# Altium PCB SupplyBox_v4.PcbDoc (part 2 of 2)
Units mil, origin at the board's own origin, x right, y up, seen from the top; angles counter-clockwise.
Board outline 7450 x 9000 mil, 6 copper layers (Top Layer, +50V, +5V, Internal, -50V, Bottom Layer), stack 60.56 mil thick; 252 components, 122 nets, 898 pads, 473 vias.
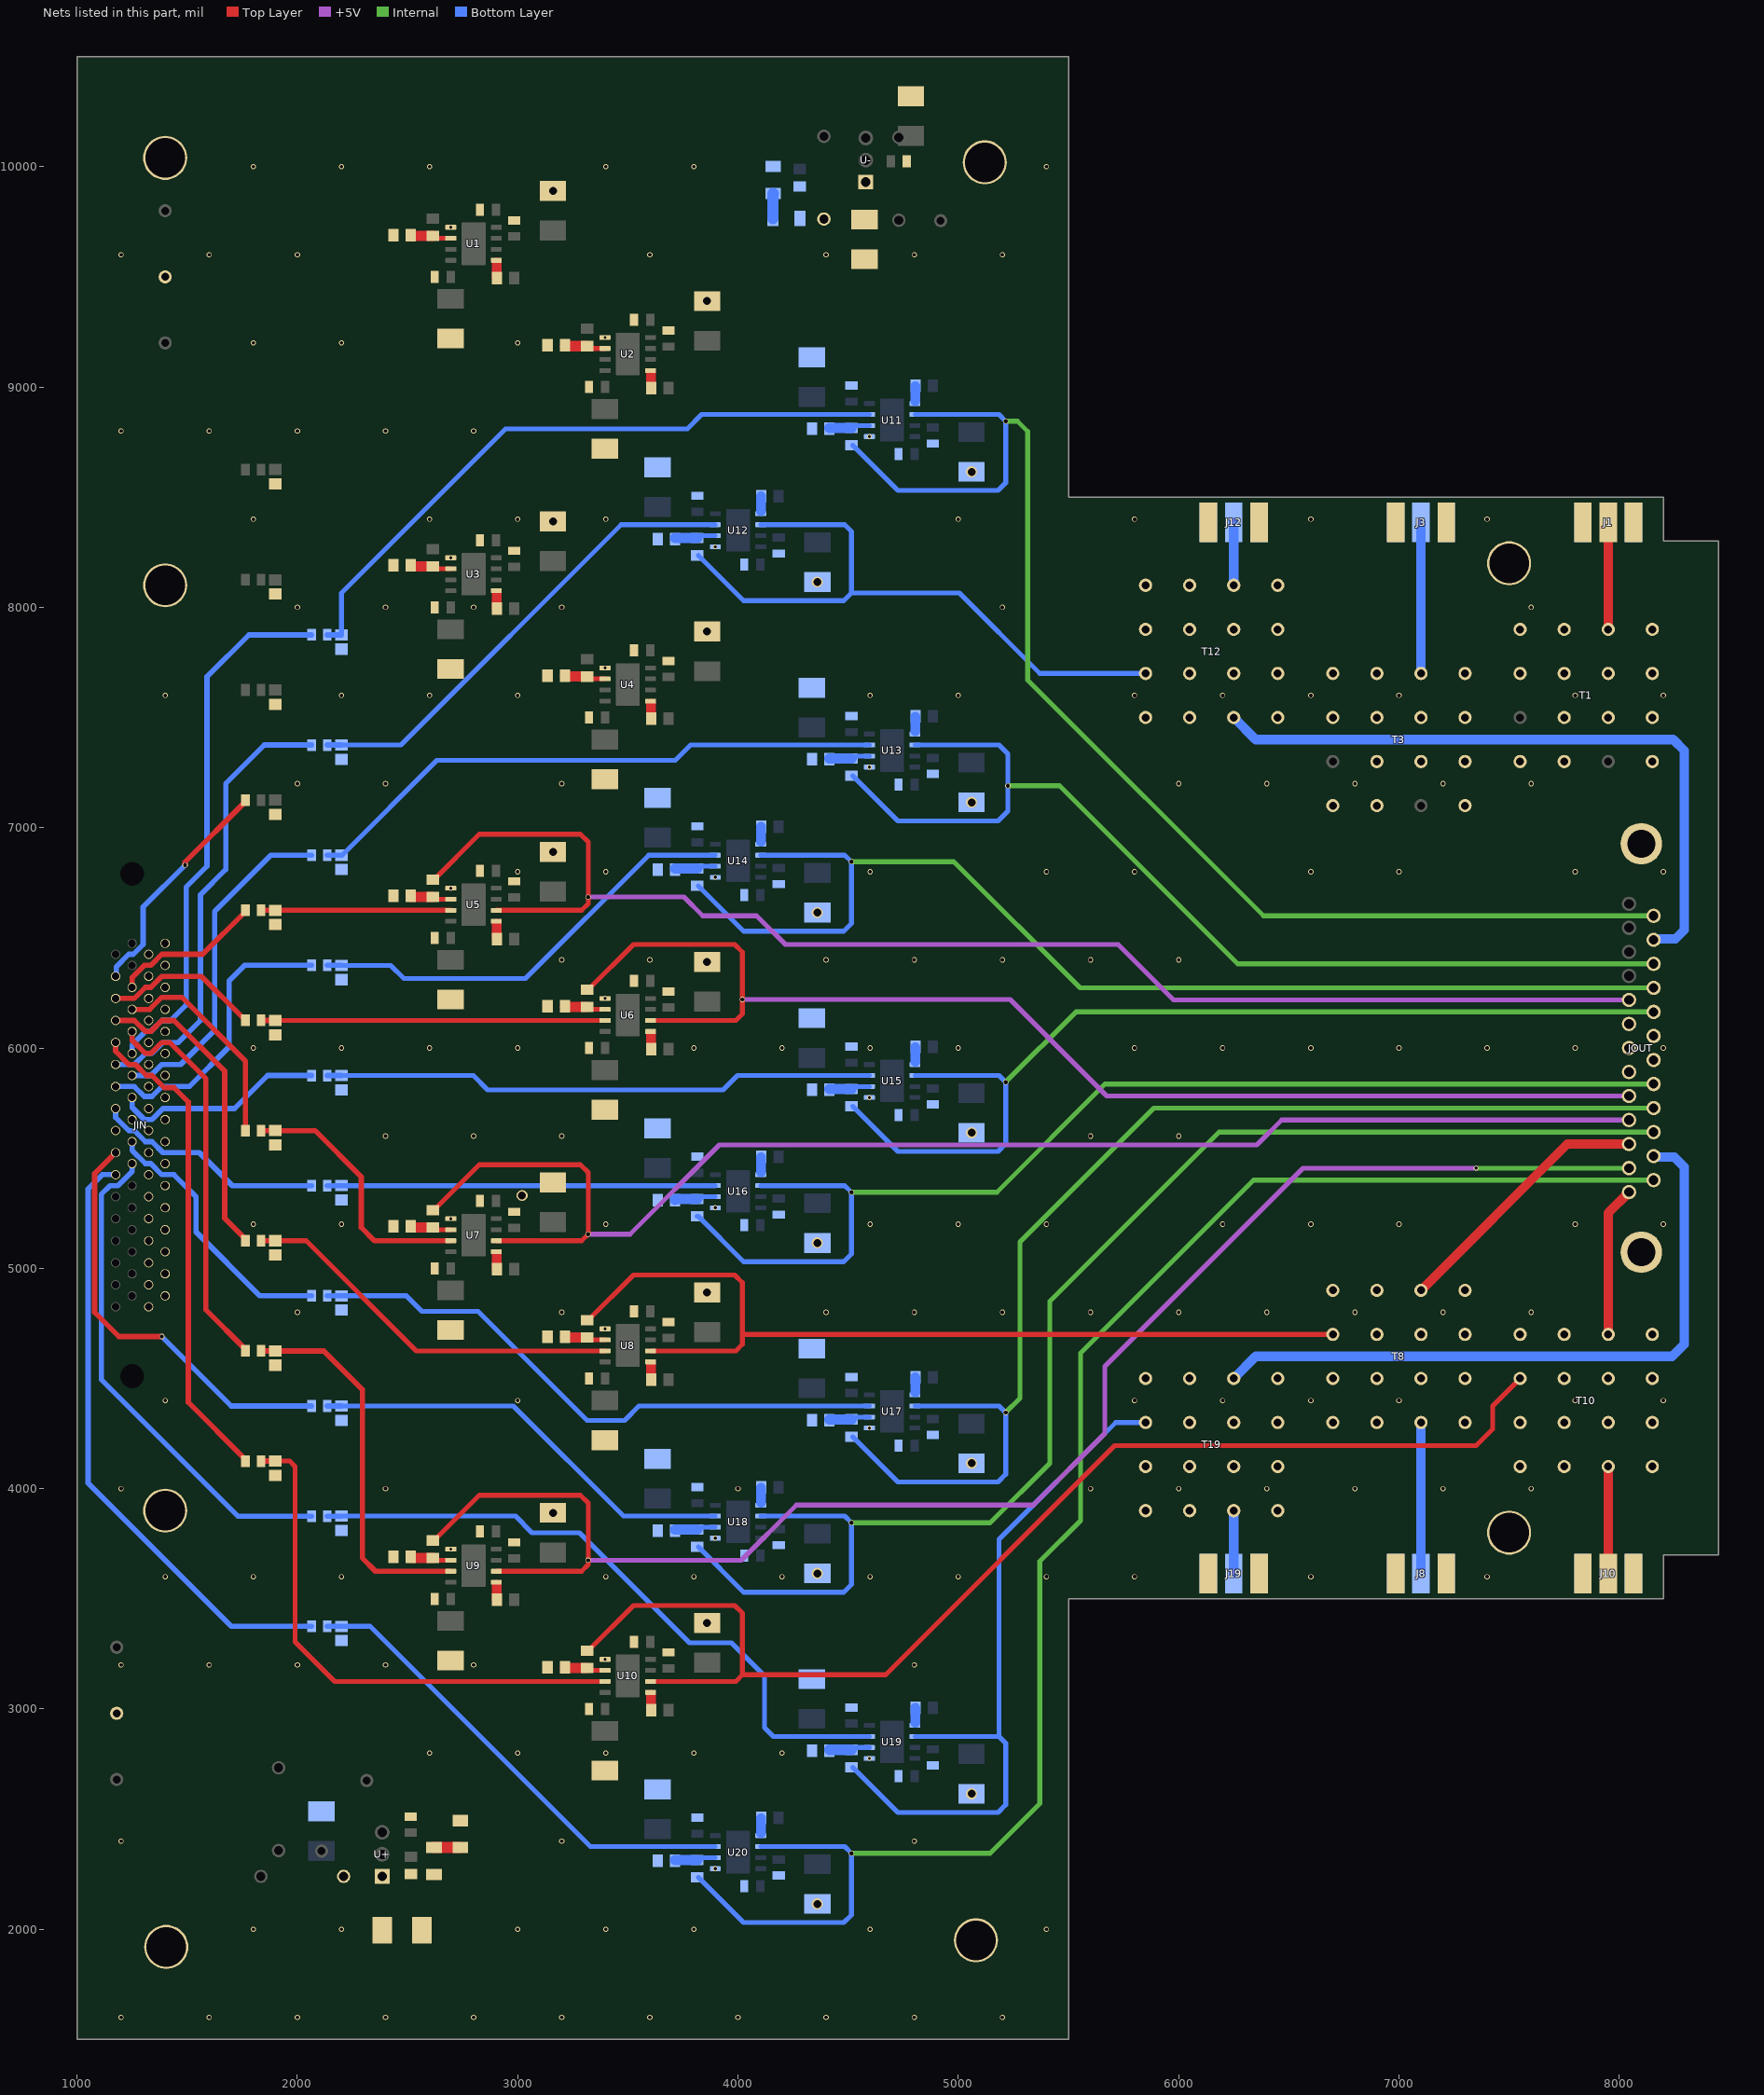
[diagram p6: the nets of this part, all layers, seen from the top]

## Via types
v1: diameter 24, hole 16, Top Layer to Bottom Layer, tented both sides, 174 vias
v2: diameter 19.68, hole 7.87, Top Layer to Bottom Layer, tented both sides, 80 vias
v3: diameter 19.68, hole 7.87, Top Layer to Bottom Layer, 80 vias
v4: diameter 50, hole 36, Top Layer to Bottom Layer, 60 vias
v5: diameter 24, hole 18, Top Layer to Bottom Layer, 43 vias
v6: diameter 22, hole 14, Top Layer to Bottom Layer, 20 vias
v7: diameter 24, hole 18, Top Layer to Bottom Layer, tented both sides, 14 vias
v8: diameter 22, hole 15, Top Layer to Bottom Layer, tented both sides, 2 vias

## Nets (pads, with @x,y where several pads share a name; then routed paths per layer and width w, separated by ;. In a path a pad name is that pad's centre, name@x,y a point inside that pad or via, vN(x,y) a via of type N, cw(c..) or ccw(c..) an arc to the next point about the centre after c; other vN are vias at no path point) (continued)
CH4IN: JIN.4 R4.1 | length 1055.9
  Top Layer w24: v5(1490,6830) 1490,6843.54 1764.57,7118.11 R4.1@1764.57,7125
  Bottom Layer w24: JIN.4@1175,6325 1178.44,6328.44 1178.44,6368.44 1235,6425 1255,6425 1300,6470 1300,6640 v5(1490,6830)
CH5A: JOUT.5 Rf5.2 U5.6 | length 6431.3
  Top Layer w22: Rf5.2@2615,6764.37 2619.92,6764.37 2825.55,6970 3285,6970 3320,6935 v7(3320,6685) 3320,6655 3290,6625 U5.6@2903.35,6625
  +5V w22: v7(3320,6685) 3755,6685 3840,6600 4085,6600 4215,6470 5725,6470 5976.89,6218.11 JOUT.5@8044.17,6218.11
CH5F: C5.2 R5.2 U5.3 | length 861.2
  Top Layer w22: C5.2@1900,6625 U5.3@2696.65,6625
  Top Layer w24: R5.2@1835.43,6625 C5.2@1900,6625
CH5IN: JIN.5 R5.1 | length 687.5
  Top Layer w24: JIN.5@1250,6275 1250,6320 1305,6375 1335,6375 1385,6425 1570,6425 R5.1@1767.28,6622.28
CH6A: JOUT.9 Rf6.2 U6.6 | length 5714.5
  Top Layer w22: Rf6.2@3319.92,6264.37 3525.55,6470 3985,6470 4020,6435 v7(4020,6220) 4020,6155 3990,6125 U6.6@3603.35,6125
  +5V w22: v7(4020,6220) 5235.11,6220 5673.22,5781.89 JOUT.9@8044.17,5781.89
CH6F: C6.2 R6.2 U6.3 | length 1561.2
  Top Layer w22: C6.2@1900,6125 U6.3@3396.65,6125
  Top Layer w24: R6.2@1835.43,6125 C6.2@1900,6125
CH6IN: JIN.6 R6.1 | length 717.9
  Top Layer w24: JIN.6@1175,6225 1260,6225 1310,6275 1335,6275 1385,6325 1564.57,6325 1749.99,6139.57 1756.88,6139.57 1764.57,6131.89 R6.1@1764.57,6125
CH7A: JOUT.10 Rf7.2 U7.6 | length 6447.5
  Top Layer w22: Rf7.2@2619.92,5264.37 2825.55,5470 3285,5470 3320,5435 v7(3320,5155) 3290,5125 U7.6@2903.35,5125
  +5V w22: v7(3320,5155) 3510,5155 3915,5560 6355,5560 6467.83,5672.83 JOUT.10@8044.17,5672.83
CH7F: C7.2 R7.2 U7.3 | length 1203.1
  Top Layer w24: R7.2@1835.43,5625 C7.2@1900,5625 2080,5625 2290,5415 2290,5185 2350,5125 U7.3@2696.65,5125
CH7IN: JIN.7 R7.1 | length 972.7
  Top Layer w24: JIN.7@1250,6175 1330,6175 1385,6230 1475,6230 1764.57,5940.43 R7.1@1764.57,5625
CH8A: Rf8.2 T8.3 U8.6 | length 4188.8
  Top Layer w22: Rf8.2@3319.92,4764.37 3525.55,4970 3985,4970 4020,4935 4020,4700 ; U8.6@3603.35,4625 3990,4625 4020,4655 4020,4700 ; T8.3@6700,4700 4020,4700
CH8F: C8.2 R8.2 U8.3 | length 1768.3
  Top Layer w22: C8.2@1900,5125 2040,5125 2540,4625 U8.3@3396.65,4625
  Top Layer w24: R8.2@1835.43,5125 C8.2@1900,5125
CH8IN: JIN.8 R8.1 | length 1440.9
  Top Layer w24: JIN.8@1175,6125 1260,6125 1310,6075 1335,6075 1385,6125 1440,6125 1670,5895 1670,5226.46 1764.57,5131.89 R8.1@1764.57,5125
CH8OUT: JOUT.11 T8.12 | length 1219.1
  Top Layer w43: T8.12@7100,4900 7763.78,5563.78 JOUT.11@8044.17,5563.78
CH9A: JOUT.12 Rf9.2 U9.6 | length 7148.9
  Top Layer w22: Rf9.2@2619.92,3764.37 2825.55,3970 3285,3970 3320,3935 v7(3320,3675) 3320,3655 3290,3625 U9.6@2903.35,3625
  +5V w22: v7(3320,3675) 4015,3675 4265,3925 5340,3925 5665,4250 5665,4555 6564.72,5454.72 v8(7350,5454.72)
  Internal w22: v8(7350,5454.72) JOUT.12@8044.17,5454.72
CH9F: C9.2 R9.2 U9.3 | length 1723.6
  Top Layer w24: R9.2@1835.43,4625 C9.2@1900,4625 2120,4625 2295,4450 2295,3685 2355,3625 U9.3@2696.65,3625
CH9IN: JIN.9 R9.1 | length 1798.3
  Top Layer w24: JIN.9@1250,6075 1250,6035 1310,5975 1335,5975 1385,6025 1420,6025 1585,5860 1585,4811.46 1764.57,4631.89 R9.1@1764.57,4625
CH10A: Rf10.2 T10.3 U10.6 | length 5657.5
  Top Layer w22: Rf10.2@3319.92,3264.37 3525.55,3470 3985,3470 4020,3435 4020,3155 ; U10.6@3603.35,3125 3990,3125 4020,3155 ; T10.3@7550,4500 7425,4375 7425,4270 7350,4195 5710,4195 4670,3155 4020,3155
CH10F: C10.2 R10.2 U10.3 | length 2441.1
  Top Layer w22: C10.2@1900,4125 1965,4125 1990,4100 1990,3305 2170,3125 U10.3@3396.65,3125
  Top Layer w24: R10.2@1835.43,4125 C10.2@1900,4125
CH10IN: JIN.10 R10.1 | length 2202.8
  Top Layer w24: JIN.10@1175,6025 1175,5985 1235,5925 1265,5925 1315,5875 1340,5875 1395,5820 1440,5820 1505,5755 1505,4391.46 1764.57,4131.89 R10.1@1764.57,4125
CH10OUT: JOUT.13 T10.12 | length 684.7
  Top Layer w43: T10.12@7950,4700 7950,5251.5 JOUT.13@8044.17,5345.67
CH11A: JOUT.14 Rf11.2 U11.6 | length 6040.8
  Internal w22: v7(5215,8845) 5268.37,8845 5315,8798.37 5315,7670 6385.2,6599.8 JOUT.14@8165.98,6599.8
  Bottom Layer w22: Rf11.2@4519.92,8735.63 4725.55,8530 5180,8530 5215,8565 v7(5215,8845) 5185,8875 U11.6@4803.35,8875
CH11F: C11.2 R11.2 U11.3 | length 2986.7
  Bottom Layer w22: C11.2@2200,7875 2200,8065 2945,8810 3770,8810 3835,8875 U11.3@4596.65,8875
  Bottom Layer w24: R11.2@2135.43,7875 C11.2@2200,7875
CH11IN: JIN.11 R11.1 | length 2442.2
  Bottom Layer w24: JIN.11@1250,5975 1250,6015 1310,6075 1335,6075 1385,6125 1425,6125 1495,6195 1495,6730 1590,6825 1590,7685 1780,7875 R11.1@2064.57,7875
CH12A: Rf12.2 T12.3 U12.6 | length 2985
  Bottom Layer w22: Rf12.2@3819.92,8235.63 4025.55,8030 4480,8030 4515,8065 ; U12.6@4103.35,8375 4485,8375 4515,8345 4515,8065 ; T12.3@5850,7700 5370,7700 5005,8065 4515,8065
CH12F: C12.2 R12.2 U12.3 | length 2175.4
  Bottom Layer w22: C12.2@2200,7375 2470,7375 3470,8375 U12.3@3896.65,8375
  Bottom Layer w24: R12.2@2135.43,7375 C12.2@2200,7375
CH12IN: JIN.12 R12.1 | length 2052.5
  Bottom Layer w24: JIN.12@1175,5925 1260,5925 1310,5975 1340,5975 1390,6025 1460,6025 1560,6125 1560,6695 1675,6810 1675,7200 1850,7375 R12.1@2064.57,7375
CH12OUT: JOUT.15 T12.12 | length 3079.5
  Bottom Layer w43: T12.12@6250,7500 6350,7400 8245,7400 8295,7350 8295,6535 8254.95,6494.95 8160.19,6494.95 JOUT.15@8155.98,6490.75
CH13A: JOUT.16 Rf13.2 U13.6 | length 4782.9
  Internal w22: v7(5225,7190) 5460,7190 6268.31,6381.69 JOUT.16@8165.98,6381.69
  Bottom Layer w22: Rf13.2@4519.92,7235.63 4725.55,7030 5180,7030 5225,7075 5225,7335 5185,7375 U13.6@4803.35,7375
CH13F: C13.2 R13.2 U13.3 | length 2668.3
  Bottom Layer w22: C13.2@2200,6875 2202.95,6875 2632.95,7305 3715,7305 3785,7375 U13.3@4596.65,7375
  Bottom Layer w24: R13.2@2135.43,6875 C13.2@2200,6875
CH13IN: JIN.13 R13.1 | length 1545.1
  Bottom Layer w24: JIN.13@1250,5875 1335,5875 1385,5925 1470,5925 1625,6080 1625,6620 1880,6875 R13.1@2064.57,6875
CH14A: JOUT.17 Rf14.2 U14.6 | length 5386.9
  Internal w22: v7(4515,6845) 4980,6845 5552.36,6272.64 JOUT.17@8165.98,6272.64
  Bottom Layer w22: Rf14.2@3819.92,6735.63 4025.55,6530 4480,6530 4515,6565 v7(4515,6845) 4485,6875 U14.6@4103.35,6875
CH14F: C14.2 R14.2 U14.3 | length 2018
  Bottom Layer w22: C14.2@2200,6375 2423.75,6375 2483.75,6315 3035,6315 3595,6875 U14.3@3896.65,6875
  Bottom Layer w24: R14.2@2135.43,6375 C14.2@2200,6375
CH14IN: JIN.14 R14.1 | length 1330.4
  Bottom Layer w24: JIN.14@1175,5825 1260,5825 1305,5780 1340,5780 1385,5825 1510,5825 1690,6005 1690,6305 1760,6375 R14.1@2064.57,6375
CH15A: JOUT.18 Rf15.2 U15.6 | length 4581.8
  Internal w22: v7(5215,5845) 5533.58,6163.58 JOUT.18@8165.98,6163.58
  Bottom Layer w22: Rf15.2@4519.92,5735.63 4725.55,5530 5180,5530 5215,5565 v7(5215,5845) 5185,5875 U15.6@4803.35,5875
CH15F: C15.2 R15.2 U15.3 | length 2515.1
  Bottom Layer w22: C15.2@2200,5875 2799.16,5875 2864.16,5810 3932.49,5810 3997.49,5875 U15.3@4596.65,5875
  Bottom Layer w24: R15.2@2135.43,5875 C15.2@2200,5875
CH15IN: JIN.15 R15.1 | length 965.2
  Bottom Layer w24: JIN.15@1250,5775 1250,5730 1305,5675 1340,5675 1390,5725 1715,5725 1865,5875 R15.1@2064.57,5875
CH16A: JOUT.21 Rf16.2 U16.6 | length 5348.3
  Internal w22: v7(4515,5345) 5175,5345 5666.42,5836.42 JOUT.21@8155.98,5836.42
  Bottom Layer w22: Rf16.2@3815,5235.63 3819.92,5235.63 4025.55,5030 4480,5030 4515,5065 v7(4515,5345) 4485,5375 U16.6@4103.35,5375
CH16F: C16.2 R16.2 U16.3 | length 1761.2
  Bottom Layer w22: C16.2@2200,5375 U16.3@3896.65,5375
  Bottom Layer w24: R16.2@2135.43,5375 C16.2@2200,5375
CH16IN: JIN.16 R16.1 | length 1058
  Bottom Layer w24: JIN.16@1175,5725 1175,5685 1235,5625 1260,5625 1310,5575 1340,5575 1390,5525 1555,5525 1705,5375 R16.1@2064.57,5375
CH17A: JOUT.22 Rf17.2 U17.6 | length 5428.3
  Internal w22: v7(5215,4345) 5280,4410 5280,5120 5887.36,5727.36 JOUT.22@8155.98,5727.36
  Bottom Layer w22: Rf17.2@4519.92,4235.63 4725.55,4030 5180,4030 5215,4065 v7(5215,4345) 5185,4375 U17.6@4803.35,4375
CH17F: C17.2 R17.2 U17.3 | length 2722.2
  Bottom Layer w22: C17.2@2200,4875 2495,4875 2565,4805 2820,4805 3315,4310 3485,4310 3550,4375 U17.3@4596.65,4375
  Bottom Layer w24: R17.2@2135.43,4875 C17.2@2200,4875
CH17IN: JIN.19 R17.1 | length 1221.7
  Bottom Layer w24: JIN.19@1250,5575 1250,5535 1310,5475 1335,5475 1385,5425 1440,5425 1540,5325 1540,5165 1830,4875 R17.1@2064.57,4875
CH18A: JOUT.23 Rf18.2 U18.6 | length 6304.9
  Internal w22: v7(4515,3845) 5145,3845 5415,4115 5415,4850 6183.31,5618.31 JOUT.23@8155.98,5618.31
  Bottom Layer w22: Rf18.2@3819.92,3735.63 4025.55,3530 4480,3530 4515,3565 v7(4515,3845) 4485,3875 U18.6@4103.35,3875
CH18F: C18.2 R18.2 U18.3 | length 1968.3
  Bottom Layer w22: C18.2@2200,4375 2980,4375 3480,3875 U18.3@3896.65,3875
  Bottom Layer w24: R18.2@2135.43,4375 C18.2@2200,4375
CH18IN: JIN.20 R18.1 | length 1925
  Top Layer w24: JIN.20@1175,5525 1080,5430 1080,4800 1190,4690 v5(1385,4690)
  Bottom Layer w24: v5(1385,4690) 1700,4375 R18.1@2064.57,4375
CH19A: Rf19.2 T19.3 U19.6 | length 3278.4
  Bottom Layer w22: Rf19.2@4519.92,2735.63 4725.55,2530 5180,2530 5215,2565 5215,2845 5185,2875 ; U19.6@4803.35,2875 5185,2875 ; T19.3@5850,4300 5715,4300 5185,3770 5185,2875
CH19F: C19.2 R19.2 U19.3 | length 3013.1
  Bottom Layer w22: C19.2@2200,3875 2990,3875 3065,3800 3280,3800 3780,3300 3970,3300 4120,3150 4120,2915 4160,2875 U19.3@4596.65,2875
  Bottom Layer w24: R19.2@2135.43,3875 C19.2@2200,3875
CH19IN: JIN.21 R19.1 | length 2269.9
  Bottom Layer w24: JIN.21@1250,5475 1250,5440 1185,5375 1150,5375 1110,5335 1110,4495 1730,3875 R19.1@2064.57,3875
CH19OUT: JOUT.24 T19.12 | length 3073.6
  Bottom Layer w43: T19.12@6250,4500 6350,4600 8240,4600 8295,4655 8295,5460 8249.95,5505.05 8160.19,5505.05 JOUT.24@8155.98,5509.25
CH20A: JOUT.25 Rf20.2 U20.6 | length 7494.9
  Internal w22: v7(4515,2345) 5145,2345 5370,2570 5370,3670 5555,3855 5555,4615 6340.2,5400.2 JOUT.25@8155.98,5400.2
  Bottom Layer w22: Rf20.2@3819.92,2235.63 4025.55,2030 4480,2030 4515,2065 v7(4515,2345) 4485,2375 U20.6@4103.35,2375
CH20F: C20.2 R20.2 U20.3 | length 2175.4
  Bottom Layer w22: C20.2@2200,3375 2330,3375 3330,2375 U20.3@3896.65,2375
  Bottom Layer w24: R20.2@2135.43,3375 C20.2@2200,3375
CH20IN: JIN.22 R20.1 | length 2770.7
  Bottom Layer w24: JIN.22@1175,5425 1115,5425 1050,5360 1050,4025 1700,3375 R20.1@2064.57,3375
GND: C1.1 C2.1 C3.1 C4.1 C5.1 C6.1 C7.1 C8.1 C9.1 C10.1 C11.1 C12.1 C13.1 C14.1 C15.1 C16.1 C17.1 C18.1 C19.1 C20.1 Cadj+.2 Cadj-.2 Cd11.1 Cd12.2 Cd13.1 Cd14.2 Cd21.1 Cd22.2 Cd23.1 Cd24.2 Cd31.1 Cd32.2 Cd33.1 Cd34.2 Cd41.1 Cd42.2 Cd43.1 Cd44.2 Cd51.1 Cd52.2 Cd53.1 Cd54.2 Cd61.1 Cd62.2 Cd63.1 Cd64.2 Cd71.1 Cd72.2 Cd73.1 Cd74.2 Cd81.1 Cd82.2 Cd83.1 Cd84.2 Cd91.1 Cd92.2 Cd93.1 Cd94.2 Cd101.1 Cd102.2 Cd103.1 Cd104.2 Cd111.1 Cd112.2 Cd113.1 Cd114.2 Cd121.1 Cd122.2 Cd123.1 Cd124.2 Cd131.1 Cd132.2 Cd133.1 Cd134.2 Cd141.1 Cd142.2 Cd143.1 Cd144.2 Cd151.1 Cd152.2 Cd153.1 Cd154.2 Cd161.1 Cd162.2 Cd163.1 Cd164.2 Cd171.1 Cd172.2 Cd173.1 Cd174.2 Cd181.1 Cd182.2 Cd183.1 Cd184.2 Cd191.1 Cd192.2 Cd193.1 Cd194.2 Cd201.1 Cd202.2 Cd203.1 Cd204.2 Ce1.1 Ce2.1 Ce3.1 Ce4.1 Ce5.1 Ce6.1 Ce7.1 Ce8.1 Ce9.1 Ce10.1 Ce11.1 Ce12.1 Ce13.1 Ce14.1 Ce15.1 Ce16.1 Ce17.1 Ce18.1 Ce19.1 Ce20.1 Cin+.2 Cin-.2 Cout+.1 Cout-.1 J1.2 J1.3 J1.4 J1.5 J3.2 J3.3 J3.4 J3.5 J8.2 J8.3 J8.4 J8.5 J10.2 J10.3 J10.4 J10.5 J12.2 J12.3 J12.4 J12.5 J19.2 J19.3 J19.4 J19.5 JIN.17 JIN.18 JIN.35 JIN.36 JIN.37 JIN.38 JIN.39 JIN.40 JIN.41 JIN.42 JIN.43 JIN.44 JIN.45 JIN.46 JIN.47 JIN.48 JIN.49 JIN.50 JIN.51 JIN.52 JIN.53 JIN.54 JIN.55 JIN.56 JIN.57 JIN.58 JIN.59 JIN.60 JIN.61 JIN.62 JIN.63 JIN.64 JIN.65 JIN.66 JIN.67 JIN.68 JIN.M1 JIN.M2 JOUT.6 JOUT.7 JOUT.8 JOUT.19 JOUT.20 JOUT.M1 JOUT.M2 pad.4.5mm pad.Vg R3+.2 R3-.1 Rg1.1 Rg2.1 Rg3.1 Rg4.1 Rg5.1 Rg6.1 Rg7.1 Rg8.1 Rg9.1 Rg10.1 Rg11.1 Rg12.1 Rg13.1 Rg14.1 Rg15.1 Rg16.1 Rg17.1 Rg18.1 Rg19.1 Rg20.1 T1.1 T1.2 T1.4 T1.5 T1.6 T1.7 T1.8 T1.10 T1.11 T1.13 T1.14 T1.15 T1.16 T3.1 T3.2 T3.4 T3.5 T3.6 T3.7 T3.8 T3.10 T3.11 T3.13 T3.14 T3.15 T3.16 T8.1 T8.2 T8.4 T8.5 T8.6 T8.7 T8.8 T8.10 T8.11 T8.13 T8.14 T8.15 T8.16 T10.1 T10.2 T10.4 T10.5 T10.6 T10.7 T10.8 T10.10 T10.11 T10.13 T10.14 T10.15 T10.16 T12.1 T12.2 T12.4 T12.5 T12.6 T12.7 T12.8 T12.10 T12.11 T12.13 T12.14 T12.15 T12.16 T19.1 T19.2 T19.4 T19.5 T19.6 T19.7 T19.8 T19.10 T19.11 T19.13 T19.14 T19.15 T19.16 U1.1 U2.1 U3.1 U4.1 U5.1 U6.1 U7.1 U8.1 U9.1 U10.1 U11.1 U12.1 U13.1 U14.1 U15.1 U16.1 U17.1 U18.1 U19.1 U20.1
  other v1: 1200,1600 1600,1600 2000,1600 2400,1600 2800,1600 3200,1600 3600,1600 4000,1600 4400,1600 4800,1600 5200,1600 1800,2000 2200,2000 3000,2000 3400,2000 3800,2000 4600,2000 5400,2000 1200,2400 3200,2400 4800,2400 2600,2800 3000,2800 3400,2800 3800,2800 4200,2800 1200,3200 1600,3200 2000,3200 2400,3200 2800,3200 4800,3200 1400,3600 1800,3600 2200,3600 3400,3600 3800,3600 4200,3600 4600,3600 5000,3600 5400,3600 5800,3600 6600,3600 7400,3600 1200,4000 2400,4000 4000,4000 5600,4000 6000,4000 6400,4000 6800,4000 7200,4000 7600,4000 1400,4400 3000,4400 5800,4400 6200,4400 6600,4400 7000,4400 7800,4400 8200,4400 2000,4800 3200,4800 4400,4800 4800,4800 5200,4800 5600,4800 6000,4800 6400,4800 6800,4800 7200,4800 7600,4800 1800,5200 2200,5200 3400,5200 4600,5200 5000,5200 5400,5200 6200,5200 6600,5200 7000,5200 7800,5200 8200,5200 2400,5600 2800,5600 3200,5600 5600,5600 6000,5600 1800,6000 2200,6000 2600,6000 3000,6000 3800,6000 4200,6000 4600,6000 5000,6000 5800,6000 6200,6000 6600,6000 7000,6000 7400,6000 7800,6000 8200,6000 3200,6400 3600,6400 4400,6400 4800,6400 5200,6400 5600,6400 6000,6400 3000,6800 3400,6800 4600,6800 5400,6800 5800,6800 6600,6800 7000,6800 7800,6800 8200,6800 2000,7200 2400,7200 3200,7200 6000,7200 6400,7200 6800,7200 7200,7200 7600,7200 1400,7600 2200,7600 2600,7600 3000,7600 4600,7600 5000,7600 5800,7600 6200,7600 6600,7600 7000,7600 7800,7600 8200,7600 2000,8000 2400,8000 2800,8000 3200,8000 5200,8000 7600,8000 1800,8400 2600,8400 3000,8400 3400,8400 5000,8400 5800,8400 6600,8400 7400,8400 1200,8800 1600,8800 2000,8800 2400,8800 2800,8800 1800,9200 2200,9200 3000,9200 1200,9600 1600,9600 2000,9600 3600,9600 4400,9600 4800,9600 5200,9600 1800,10000 2200,10000 2600,10000 3400,10000 3800,10000 5400,10000
  other v4: 4360,2115 5060,2615 3860,3390 4360,3615 3160,3890 5060,4115 3860,4890 4360,5115 3020,5330 5060,5615 3860,6390 4360,6615 3160,6890 5060,7115 3860,7890 4360,8115 3160,8390 5060,8615 3860,9390 3160,9890
  other v6: 3896.65,2275 4596.65,2775 3396.65,3225 2696.65,3725 3896.65,3775 4596.65,4275 3396.65,4725 2696.65,5225 3896.65,5275 4596.65,5775 3396.65,6225 2696.65,6725 3896.65,6775 4596.65,7275 3396.65,7725 2696.65,8225 3896.65,8275 4596.65,8775 3396.65,9225 2696.65,9725
NetCadj+_1: Cadj+.1 D2+.2 R1+.1 R2+.2 U+.1
NetCadj-_1: Cadj-.1 D2-.1 R1-.1 R2-.2 U-.1
NetJ1_1: J1.1 T1.9 | length 485
  Top Layer w43: T1.9@7950,7900 J1.1@7950,8385
NetJ3_1: J3.1 T3.9 | length 685
  Bottom Layer w43: T3.9@7100,7700 J3.1@7100,8385
NetJ8_1: J8.1 T8.9 | length 685
  Bottom Layer w43: J8.1@7100,3615 T8.9@7100,4300
NetJ10_1: J10.1 T10.9 | length 485
  Top Layer w43: J10.1@7950,3615 T10.9@7950,4100
NetJ12_1: J12.1 T12.9 | length 285
  Bottom Layer w43: T12.9@6250,8100 J12.1@6250,8385
NetJ19_1: J19.1 T19.9 | length 285
  Bottom Layer w43: J19.1@6250,3615 T19.9@6250,3900
NetR2+_1: R2+.1 R3+.1 | length 120
  Top Layer w51: R2+.1@2620,2371.02 2635,2371.02 R3+.1@2740,2371.02
NetR2-_1: R2-.1 R3-.2 | length 114.9
  Bottom Layer w51: R2-.1@4158.98,9765 4158.98,9878.89 4159.07,9878.98 R3-.2@4160,9878.98
NetRe1_1: Re1.1 U1.5 | length 67.4
  Top Layer w45: Re1.1@2905,9495.63 2905,9563
NetRe2_1: Re2.1 U2.5 | length 67.4
  Top Layer w45: Re2.1@3605,8995.63 3605,9063
NetRe3_1: Re3.1 U3.5 | length 67.4
  Top Layer w45: Re3.1@2905,7995.63 2905,8063
NetRe4_1: Re4.1 U4.5 | length 67.4
  Top Layer w45: Re4.1@3605,7495.63 3605,7563
NetRe5_1: Re5.1 U5.5 | length 68.3
  Top Layer w37: Re5.1@2905,6495.63 Re5.1@2905.63,6495
  Top Layer w45: Re5.1@2905,6495.63 2905,6563
NetRe6_1: Re6.1 U6.5 | length 67.4
  Top Layer w45: Re6.1@3605,5995.63 3605,6063
NetRe7_1: Re7.1 U7.5 | length 67.4
  Top Layer w45: Re7.1@2905,4995.63 2905,5063
NetRe8_1: Re8.1 U8.5 | length 67.4
  Top Layer w45: Re8.1@3605,4495.63 3605,4563
NetRe9_1: Re9.1 U9.5 | length 67.4
  Top Layer w45: Re9.1@2905,3495.63 2905,3563
NetRe10_1: Re10.1 U10.5 | length 67.4
  Top Layer w45: Re10.1@3605,2995.63 3605,3063
NetRe11_1: Re11.1 U11.5 | length 66.9
  Bottom Layer w45: 4804.49,8937 Re11.1@4804.49,9003.86
NetRe12_1: Re12.1 U12.5 | length 66.9
  Bottom Layer w45: 4104.49,8437 Re12.1@4104.49,8503.86
NetRe13_1: Re13.1 U13.5 | length 66.9
  Bottom Layer w45: 4804.49,7437 Re13.1@4804.49,7503.86
NetRe14_1: Re14.1 U14.5 | length 66.9
  Bottom Layer w45: 4104.49,6937 Re14.1@4104.49,7003.86
NetRe15_1: Re15.1 U15.5 | length 66.9
  Bottom Layer w45: 4804.49,5937 Re15.1@4804.49,6003.86
NetRe16_1: Re16.1 U16.5 | length 68.5
  Bottom Layer w37: Re16.1@4104.49,5503.86 Re16.1@4105.63,5505
  Bottom Layer w45: 4104.49,5437 Re16.1@4104.49,5503.86
NetRe17_1: Re17.1 U17.5 | length 66.9
  Bottom Layer w45: 4804.49,4437 Re17.1@4804.49,4503.86
NetRe18_1: Re18.1 U18.5 | length 66.9
  Bottom Layer w45: 4104.49,3937 Re18.1@4104.49,4003.86
NetRe19_1: Re19.1 U19.5 | length 66.9
  Bottom Layer w45: 4804.49,2937 Re19.1@4804.49,3003.86
NetRe20_1: Re20.1 U20.5 | length 66.9
  Bottom Layer w45: 4104.49,2437 Re20.1@4104.49,2503.86
NetRf1_1: Rf1.1 Rg1.2 U1.2 | length 171.5